# Altium PCB Power_Board_2.PcbDoc (part 4 of 6)
Units mil, origin at the board's own origin, x right, y up, seen from the top; angles counter-clockwise.
Board outline 6295 x 3940 mil, 4 copper layers (Top Layer, Layer 1, Layer 2, Bottom Layer), stack 70.112 mil thick; 302 components, 180 nets, 927 pads, 3118 vias.
Unrouted connection lines stored in the file: 443.
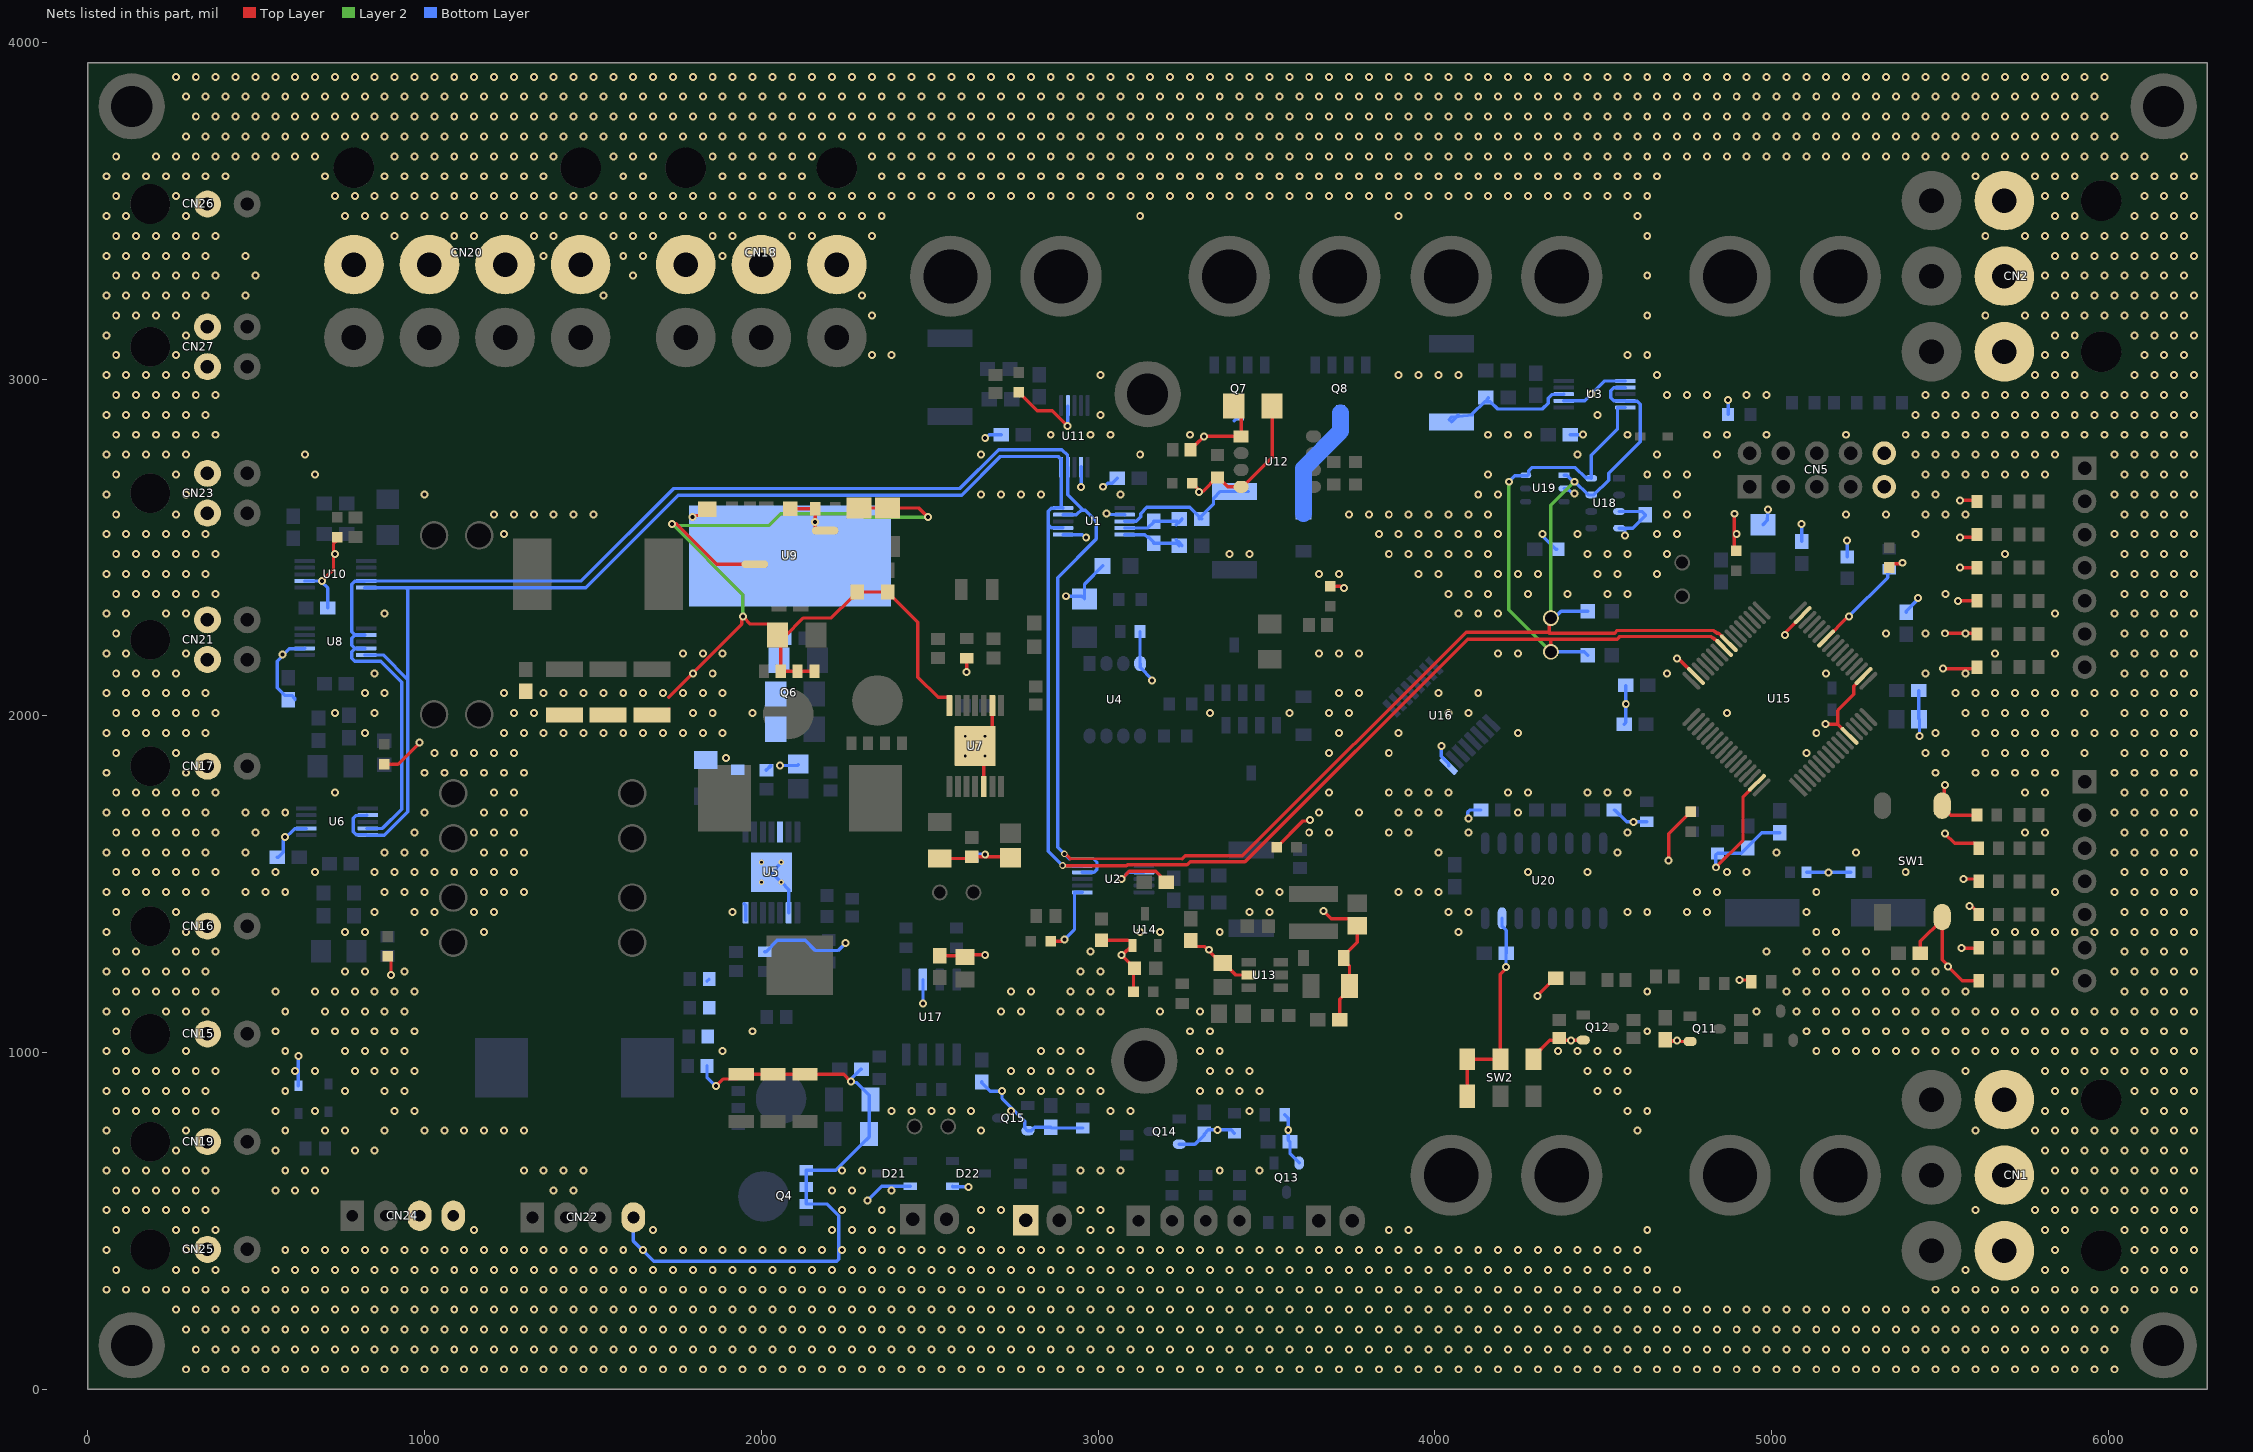
[diagram p5: the nets of this part, all layers, seen from the top]

## Via types
v1: diameter 23.62, hole 11.81, Top Layer to Bottom Layer, tented both sides, 3092 vias
v2: diameter 50, hole 12, Top Layer to Bottom Layer, tented both sides, 15 vias
v3: diameter 15.75, hole 7.87, Top Layer to Bottom Layer, tented both sides, 8 vias
v4: diameter 20, hole 12, Top Layer to Bottom Layer, tented both sides, 3 vias

## Nets (pads, with @x,y where several pads share a name; then routed paths per layer and width w, separated by ;. In a path a pad name is that pad's centre, name@x,y a point inside that pad or via, vN(x,y) a via of type N, cw(c..) or ccw(c..) an arc to the next point about the centre after c; other vN are vias at no path point) (continued)
GND: (continued)
  other v1: 290.71,59.06 349.76,59.06 408.82,59.06 467.87,59.06 526.93,59.06 585.98,59.06 645.04,59.06 704.09,59.06 763.15,59.06 822.2,59.06 881.26,59.06 940.31,59.06 999.37,59.06 1058.42,59.06 1117.48,59.06 1176.53,59.06 1235.59,59.06 1294.64,59.06 1353.7,59.06 1412.76,59.06 1471.81,59.06 1530.87,59.06 1589.92,59.06 1648.98,59.06 1708.03,59.06 1767.09,59.06 1826.14,59.06 1885.2,59.06 1944.25,59.06 2003.31,59.06 2062.36,59.06 2121.42,59.06 2180.47,59.06 2239.53,59.06 2298.58,59.06 2357.64,59.06 2416.69,59.06 2475.75,59.06 2534.8,59.06 2593.86,59.06 2652.91,59.06 2711.97,59.06 2771.02,59.06 2830.08,59.06 2889.13,59.06 2948.19,59.06 3007.24,59.06 3066.3,59.06 3125.35,59.06 3184.41,59.06 3243.46,59.06 3302.52,59.06 3361.57,59.06 3420.63,59.06 3479.68,59.06 3538.74,59.06 3597.79,59.06 3656.85,59.06 3715.9,59.06 3774.96,59.06 3834.01,59.06 3893.07,59.06 3952.12,59.06 4011.18,59.06 4070.23,59.06 4129.29,59.06 4188.34,59.06 4247.4,59.06 4306.45,59.06 4365.51,59.06 4424.57,59.06 4483.62,59.06 4542.68,59.06 4601.73,59.06 4660.79,59.06 4719.84,59.06 4778.9,59.06 4837.95,59.06 4897.01,59.06 4956.06,59.06 5015.12,59.06 5074.17,59.06 5133.23,59.06 5192.28,59.06 5251.34,59.06 5310.39,59.06 5369.45,59.06 5428.5,59.06 5487.56,59.06 5546.61,59.06 5605.67,59.06 5664.72,59.06 5723.78,59.06 5782.83,59.06 5841.89,59.06 5900.94,59.06 5960,59.06 6019.05,59.06 320.24,118.11 379.29,118.11 438.35,118.11 497.4,118.11 556.46,118.11 615.51,118.11 674.57,118.11 733.62,118.11 792.68,118.11 851.73,118.11 910.79,118.11 969.84,118.11 1028.9,118.11 1087.95,118.11 1147.01,118.11 1206.06,118.11 1265.12,118.11 1324.17,118.11 1383.23,118.11 1442.28,118.11 1501.34,118.11 1560.39,118.11 1619.45,118.11 1678.5,118.11 1737.56,118.11 1796.61,118.11 1855.67,118.11 1914.72,118.11 1973.78,118.11 2032.83,118.11 2091.89,118.11 2150.94,118.11 2210,118.11 2269.05,118.11 2328.11,118.11 2387.16,118.11 2446.22,118.11 2505.27,118.11 2564.33,118.11 2623.38,118.11 2682.44,118.11 2741.49,118.11 2800.55,118.11 2859.6,118.11 2918.66,118.11 2977.72,118.11 3036.77,118.11 3095.83,118.11 3154.88,118.11 3213.94,118.11 3272.99,118.11 3332.05,118.11 3391.1,118.11 3450.16,118.11 3509.21,118.11 3568.27,118.11 3627.32,118.11 3686.38,118.11 3745.43,118.11 3804.49,118.11 3863.54,118.11 3922.6,118.11 3981.65,118.11 4040.71,118.11 4099.76,118.11 4158.82,118.11 4217.87,118.11 4276.93,118.11 4335.98,118.11 4395.04,118.11 4454.09,118.11 4513.15,118.11 4572.2,118.11 4631.26,118.11 4690.31,118.11 4749.37,118.11 4808.42,118.11 4867.48,118.11 4926.53,118.11 4985.59,118.11 5044.64,118.11 5103.7,118.11 5162.75,118.11 5221.81,118.11 5280.86,118.11 5339.92,118.11 5398.97,118.11 5458.03,118.11 5517.08,118.11 5576.14,118.11 5635.19,118.11 5694.25,118.11 5753.3,118.11 5812.36,118.11 5871.41,118.11 5930.47,118.11 5989.53,118.11 290.71,177.17 349.76,177.17 408.82,177.17 467.87,177.17 526.93,177.17 585.98,177.17 645.04,177.17 704.09,177.17 763.15,177.17 822.2,177.17 881.26,177.17 940.31,177.17 999.37,177.17 1058.42,177.17 1117.48,177.17 1176.53,177.17 1235.59,177.17 1294.64,177.17 1353.7,177.17 1412.76,177.17 1471.81,177.17 1530.87,177.17 1589.92,177.17 1648.98,177.17 1708.03,177.17 1767.09,177.17 1826.14,177.17 1885.2,177.17 1944.25,177.17 2003.31,177.17 2062.36,177.17 2121.42,177.17 2180.47,177.17 2239.53,177.17 2298.58,177.17 2357.64,177.17 2416.69,177.17 2475.75,177.17 2534.8,177.17 2593.86,177.17 2652.91,177.17 2711.97,177.17 2771.02,177.17 2830.08,177.17 2889.13,177.17 2948.19,177.17 3007.24,177.17 3066.3,177.17 3125.35,177.17 3184.41,177.17 3243.46,177.17 3302.52,177.17 3361.57,177.17 3420.63,177.17 3479.68,177.17 3538.74,177.17 3597.79,177.17 3656.85,177.17 3715.9,177.17 3774.96,177.17 3834.01,177.17 3893.07,177.17 3952.12,177.17 4011.18,177.17 4070.23,177.17 4129.29,177.17 4188.34,177.17 4247.4,177.17 4306.45,177.17 4365.51,177.17 4424.57,177.17 4483.62,177.17 4542.68,177.17 4601.73,177.17 4660.79,177.17 4719.84,177.17 4778.9,177.17 4837.95,177.17 4897.01,177.17 4956.06,177.17 5015.12,177.17 5074.17,177.17 5133.23,177.17 5192.28,177.17 5251.34,177.17 5310.39,177.17 5369.45,177.17 5428.5,177.17 5487.56,177.17 5546.61,177.17 5605.67,177.17 5664.72,177.17 5723.78,177.17 5782.83,177.17 5841.89,177.17 5900.94,177.17 5960,177.17 6019.05,177.17 261.18,236.22 320.24,236.22 379.29,236.22 438.35,236.22 497.4,236.22 556.46,236.22 615.51,236.22 674.57,236.22 733.62,236.22 792.68,236.22 851.73,236.22 910.79,236.22 969.84,236.22 1028.9,236.22 1087.95,236.22 1147.01,236.22 1206.06,236.22 1265.12,236.22 1324.17,236.22 1383.23,236.22 1442.28,236.22 1501.34,236.22 1560.39,236.22 1619.45,236.22 1678.5,236.22 1737.56,236.22 1796.61,236.22 1855.67,236.22 1914.72,236.22 1973.78,236.22 2032.83,236.22 2091.89,236.22 2150.94,236.22 2210,236.22 2269.05,236.22 2328.11,236.22 2387.16,236.22 2446.22,236.22 2505.27,236.22 2564.33,236.22 2623.38,236.22 2682.44,236.22 2741.49,236.22 2800.55,236.22 2859.6,236.22 2918.66,236.22 2977.72,236.22 3036.77,236.22 3095.83,236.22 3154.88,236.22 3213.94,236.22 3272.99,236.22 3332.05,236.22 3391.1,236.22 3450.16,236.22 3509.21,236.22 3568.27,236.22 3627.32,236.22 3686.38,236.22 3745.43,236.22 3804.49,236.22 3863.54,236.22 3922.6,236.22 3981.65,236.22 4040.71,236.22 4099.76,236.22 4158.82,236.22 4217.87,236.22 4276.93,236.22 4335.98,236.22 4395.04,236.22 4454.09,236.22 4513.15,236.22 4572.2,236.22 4631.26,236.22 4690.31,236.22 4749.37,236.22 4808.42,236.22 4867.48,236.22 4926.53,236.22 4985.59,236.22 5044.64,236.22 5103.7,236.22 5162.75,236.22 5221.81,236.22 5280.86,236.22 5339.92,236.22 5398.97,236.22 5458.03,236.22 5517.08,236.22 5576.14,236.22 5635.19,236.22 5694.25,236.22 5753.3,236.22 5812.36,236.22 5871.41,236.22 5930.47,236.22 5989.53,236.22 6048.58,236.22 54.49,295.28 113.54,295.28 172.6,295.28 231.65,295.28 290.71,295.28 349.76,295.28 408.82,295.28 467.87,295.28 526.93,295.28 585.98,295.28 645.04,295.28 704.09,295.28 763.15,295.28 822.2,295.28 881.26,295.28 940.31,295.28 999.37,295.28 1058.42,295.28 1117.48,295.28 1176.53,295.28 1235.59,295.28 1294.64,295.28 1353.7,295.28 1412.76,295.28 1471.81,295.28 1530.87,295.28 1589.92,295.28 1648.98,295.28 1708.03,295.28 1767.09,295.28 1826.14,295.28 1885.2,295.28 1944.25,295.28 2003.31,295.28 2062.36,295.28 2121.42,295.28 2180.47,295.28 2239.53,295.28 2298.58,295.28 2357.64,295.28 2416.69,295.28 2475.75,295.28 2534.8,295.28 2593.86,295.28 2652.91,295.28 2711.97,295.28 2771.02,295.28 2830.08,295.28 2889.13,295.28 2948.19,295.28 3007.24,295.28 3066.3,295.28 3125.35,295.28 3184.41,295.28 3243.46,295.28 3302.52,295.28 3361.57,295.28 3420.63,295.28 3479.68,295.28 3538.74,295.28 3597.79,295.28 3656.85,295.28 3715.9,295.28 3774.96,295.28 3834.01,295.28 3893.07,295.28 3952.12,295.28 4011.18,295.28 4070.23,295.28 4129.29,295.28 4188.34,295.28 4247.4,295.28 4306.45,295.28 4365.51,295.28 4424.57,295.28 4483.62,295.28 4542.68,295.28 4601.73,295.28 4660.79,295.28 4719.84,295.28 5487.56,295.28 5546.61,295.28 5605.67,295.28 5664.72,295.28 5723.78,295.28 5782.83,295.28 5841.89,295.28 5900.94,295.28 5960,295.28 6019.05,295.28 6078.11,295.28 6137.16,295.28 6196.22,295.28 6255.27,295.28 84.02,354.33 261.18,354.33 320.24,354.33 379.29,354.33 556.46,354.33 615.51,354.33 674.57,354.33 733.62,354.33 792.68,354.33 851.73,354.33 910.79,354.33 969.84,354.33 1028.9,354.33 1087.95,354.33 1147.01,354.33 1206.06,354.33 1265.12,354.33 1324.17,354.33 1383.23,354.33 1442.28,354.33 1501.34,354.33 1560.39,354.33 1619.45,354.33 1678.5,354.33 1737.56,354.33 1796.61,354.33 1855.67,354.33 1914.72,354.33 1973.78,354.33 2032.83,354.33 2091.89,354.33 2150.94,354.33 2210,354.33 2269.05,354.33 2328.11,354.33 2387.16,354.33 2446.22,354.33 2505.27,354.33 2564.33,354.33 2623.38,354.33 2682.44,354.33 2741.49,354.33 2800.55,354.33 2859.6,354.33 2918.66,354.33 2977.72,354.33 3036.77,354.33 3095.83,354.33 3154.88,354.33 3213.94,354.33 3272.99,354.33 3332.05,354.33 3391.1,354.33 3450.16,354.33 3509.21,354.33 3568.27,354.33 3627.32,354.33 3686.38,354.33 3745.43,354.33 3804.49,354.33 3863.54,354.33 3922.6,354.33 3981.65,354.33 4040.71,354.33 4099.76,354.33 4158.82,354.33 4217.87,354.33 4276.93,354.33 4335.98,354.33 4395.04,354.33 4454.09,354.33 4513.15,354.33 4572.2,354.33 4631.26,354.33 5576.14,354.33 5812.36,354.33 5871.41,354.33 6048.58,354.33 6107.64,354.33 6166.69,354.33 6225.75,354.33 54.49,413.39 290.71,413.39 585.98,413.39 645.04,413.39 704.09,413.39 763.15,413.39 822.2,413.39 881.26,413.39 940.31,413.39 999.37,413.39 1058.42,413.39 1117.48,413.39 1176.53,413.39 1235.59,413.39 1294.64,413.39 1353.7,413.39 1412.76,413.39 1471.81,413.39 1530.87,413.39 1589.92,413.39 1648.98,413.39 1708.03,413.39 1767.09,413.39 1826.14,413.39 1885.2,413.39 1944.25,413.39 2003.31,413.39 2062.36,413.39 2121.42,413.39 2180.47,413.39 2239.53,413.39 2298.58,413.39 2357.64,413.39 2416.69,413.39 2475.75,413.39 2534.8,413.39 2593.86,413.39 2652.91,413.39 2711.97,413.39 2771.02,413.39 2830.08,413.39 2889.13,413.39 2948.19,413.39 3007.24,413.39 3066.3,413.39 3125.35,413.39 3184.41,413.39 3243.46,413.39 3302.52,413.39 3361.57,413.39 3420.63,413.39 3479.68,413.39 3538.74,413.39 3597.79,413.39 3656.85,413.39 3715.9,413.39 3774.96,413.39 3834.01,413.39 3893.07,413.39 3952.12,413.39 4011.18,413.39 4070.23,413.39 4129.29,413.39 4188.34,413.39 4247.4,413.39 4306.45,413.39 4365.51,413.39 4424.57,413.39 4483.62,413.39 4542.68,413.39 4601.73,413.39 5841.89,413.39 6078.11,413.39 6137.16,413.39 6196.22,413.39 6255.27,413.39 84.02,472.44 261.18,472.44 320.24,472.44 379.29,472.44 1147.01,472.44 1678.5,472.44 2210,472.44 2269.05,472.44 2328.11,472.44 2387.16,472.44 2623.38,472.44 2977.72,472.44 3036.77,472.44 3863.54,472.44 3922.6,472.44 4631.26,472.44 5812.36,472.44 5871.41,472.44 6048.58,472.44 6107.64,472.44 6166.69,472.44 6225.75,472.44 54.49,531.5 113.54,531.5 172.6,531.5 231.65,531.5 290.71,531.5 349.76,531.5 2239.53,531.5 2357.64,531.5 2652.91,531.5 2711.97,531.5 2948.19,531.5 3007.24,531.5 5605.67,531.5 5782.83,531.5 5841.89,531.5 5900.94,531.5 5960,531.5 6019.05,531.5 6078.11,531.5 6137.16,531.5 6196.22,531.5 6255.27,531.5 84.02,590.55 143.07,590.55 202.13,590.55 261.18,590.55 320.24,590.55 379.29,590.55 556.46,590.55 615.51,590.55 674.57,590.55 1383.23,590.55 1442.28,590.55 2210,590.55 2269.05,590.55 2387.16,590.55 5812.36,590.55 5871.41,590.55 5930.47,590.55 5989.53,590.55 6048.58,590.55 6107.64,590.55 6166.69,590.55 6225.75,590.55 54.49,649.61 113.54,649.61 172.6,649.61 231.65,649.61 290.71,649.61 349.76,649.61 585.98,649.61 645.04,649.61 704.09,649.61 1294.64,649.61 1353.7,649.61 1412.76,649.61 1471.81,649.61 2239.53,649.61 2298.58,649.61 2948.19,649.61 3007.24,649.61 3066.3,649.61 3361.57,649.61 3479.68,649.61 5841.89,649.61 5900.94,649.61 5960,649.61 6019.05,649.61 6078.11,649.61 6137.16,649.61 6196.22,649.61 6255.27,649.61 84.02,708.66 261.18,708.66 556.46,708.66 792.68,708.66 851.73,708.66 5812.36,708.66 5871.41,708.66 5930.47,708.66 5989.53,708.66 6048.58,708.66 6107.64,708.66 6166.69,708.66 6225.75,708.66 54.49,767.72 290.71,767.72 585.98,767.72 704.09,767.72 763.15,767.72 881.26,767.72 999.37,767.72 1058.42,767.72 1117.48,767.72 1176.53,767.72 1235.59,767.72 1294.64,767.72 2652.91,767.72 4601.73,767.72 5605.67,767.72 5782.83,767.72 5841.89,767.72 5900.94,767.72 5960,767.72 6019.05,767.72 6078.11,767.72 6137.16,767.72 6196.22,767.72 6255.27,767.72 84.02,826.77 143.07,826.77 202.13,826.77 261.18,826.77 320.24,826.77 379.29,826.77 556.46,826.77 674.57,826.77 910.79,826.77 969.84,826.77 2387.16,826.77 2446.22,826.77 2505.27,826.77 2564.33,826.77 2623.38,826.77 2741.49,826.77 3036.77,826.77 3095.83,826.77 3450.16,826.77 4572.2,826.77 4631.26,826.77 5812.36,826.77 5871.41,826.77 6107.64,826.77 6166.69,826.77 6225.75,826.77 54.49,885.83 113.54,885.83 172.6,885.83 231.65,885.83 290.71,885.83 349.76,885.83 585.98,885.83 763.15,885.83 881.26,885.83 940.31,885.83 2771.02,885.83 2830.08,885.83 2889.13,885.83 2948.19,885.83 3007.24,885.83 3302.52,885.83 3361.57,885.83 3420.63,885.83 3479.68,885.83 4483.62,885.83 4542.68,885.83 5841.89,885.83 5900.94,885.83 6078.11,885.83 6137.16,885.83 6196.22,885.83 6255.27,885.83 84.02,944.88 143.07,944.88 202.13,944.88 261.18,944.88 320.24,944.88 379.29,944.88 556.46,944.88 615.51,944.88 674.57,944.88 792.68,944.88 851.73,944.88 910.79,944.88 969.84,944.88 2741.49,944.88 2800.55,944.88 2859.6,944.88 2918.66,944.88 2977.72,944.88 3332.05,944.88 3391.1,944.88 3450.16,944.88 4454.09,944.88 4513.15,944.88 4572.2,944.88 5576.14,944.88 5812.36,944.88 5871.41,944.88 5930.47,944.88 5989.53,944.88 6048.58,944.88 6107.64,944.88 6166.69,944.88 6225.75,944.88 54.49,1003.94 113.54,1003.94 290.71,1003.94 585.98,1003.94 763.15,1003.94 822.2,1003.94 881.26,1003.94 940.31,1003.94 1885.2,1003.94 2830.08,1003.94 2889.13,1003.94 2948.19,1003.94 3302.52,1003.94 3361.57,1003.94 4365.51,1003.94 4424.57,1003.94 4483.62,1003.94 4542.68,1003.94 5133.23,1003.94 5192.28,1003.94 5251.34,1003.94 5310.39,1003.94 5369.45,1003.94 5428.5,1003.94 5487.56,1003.94 5546.61,1003.94 5605.67,1003.94 5664.72,1003.94 5723.78,1003.94 5782.83,1003.94 5841.89,1003.94 5900.94,1003.94 5960,1003.94 6019.05,1003.94 6078.11,1003.94 6137.16,1003.94 6196.22,1003.94 6255.27,1003.94 84.02,1062.99 556.46,1062.99 674.57,1062.99 733.62,1062.99 792.68,1062.99 851.73,1062.99 910.79,1062.99 969.84,1062.99 1973.78,1062.99 3272.99,1062.99 3332.05,1062.99 4631.26,1062.99 5103.7,1062.99 5162.75,1062.99 5221.81,1062.99 5280.86,1062.99 5339.92,1062.99 5398.97,1062.99 5458.03,1062.99 5517.08,1062.99 5576.14,1062.99 5635.19,1062.99 5694.25,1062.99 5753.3,1062.99 5812.36,1062.99 5871.41,1062.99 5930.47,1062.99 5989.53,1062.99 6048.58,1062.99 6107.64,1062.99 6166.69,1062.99 6225.75,1062.99 54.49,1122.05 113.54,1122.05 231.65,1122.05 290.71,1122.05 349.76,1122.05 585.98,1122.05 704.09,1122.05 763.15,1122.05 822.2,1122.05 881.26,1122.05 940.31,1122.05 2711.97,1122.05 2771.02,1122.05 2889.13,1122.05 2948.19,1122.05 3007.24,1122.05 3184.41,1122.05 3302.52,1122.05 4956.06,1122.05 5074.17,1122.05 5133.23,1122.05 5192.28,1122.05 5251.34,1122.05 5310.39,1122.05 5369.45,1122.05 5428.5,1122.05 5487.56,1122.05 5546.61,1122.05 5605.67,1122.05 5664.72,1122.05 5723.78,1122.05 5782.83,1122.05 5841.89,1122.05 5900.94,1122.05 5960,1122.05 6019.05,1122.05 6078.11,1122.05 6137.16,1122.05 6196.22,1122.05 6255.27,1122.05 84.02,1181.1 143.07,1181.1 202.13,1181.1 261.18,1181.1 320.24,1181.1 379.29,1181.1 556.46,1181.1 674.57,1181.1 733.62,1181.1 792.68,1181.1 851.73,1181.1 910.79,1181.1 969.84,1181.1 2741.49,1181.1 2800.55,1181.1 2918.66,1181.1 2977.72,1181.1 3036.77,1181.1 4631.26,1181.1 5044.64,1181.1 5103.7,1181.1 5162.75,1181.1 5221.81,1181.1 5280.86,1181.1 5339.92,1181.1 5398.97,1181.1 5458.03,1181.1 5517.08,1181.1 5576.14,1181.1 6048.58,1181.1 6107.64,1181.1 6166.69,1181.1 6225.75,1181.1 54.49,1240.16 113.54,1240.16 172.6,1240.16 231.65,1240.16 290.71,1240.16 349.76,1240.16 763.15,1240.16 822.2,1240.16 940.31,1240.16 2948.19,1240.16 3007.24,1240.16 5074.17,1240.16 5133.23,1240.16 5192.28,1240.16 5251.34,1240.16 5310.39,1240.16 5369.45,1240.16 5428.5,1240.16 5487.56,1240.16 5841.89,1240.16 6019.05,1240.16 6078.11,1240.16 6137.16,1240.16 6196.22,1240.16 6255.27,1240.16 84.02,1299.21 143.07,1299.21 261.18,1299.21 320.24,1299.21 379.29,1299.21 2977.72,1299.21 4985.59,1299.21 5103.7,1299.21 5162.75,1299.21 5221.81,1299.21 5280.86,1299.21 6048.58,1299.21 6107.64,1299.21 6166.69,1299.21 6225.75,1299.21 3330,1305 54.49,1358.27 290.71,1358.27 763.15,1358.27 822.2,1358.27 999.37,1358.27 1176.53,1358.27 3125.35,1358.27 3184.41,1358.27 3361.57,1358.27 4070.23,1358.27 5133.23,1358.27 5192.28,1358.27 5664.72,1358.27 5723.78,1358.27 5782.83,1358.27 5841.89,1358.27 5900.94,1358.27 5960,1358.27 6019.05,1358.27 6078.11,1358.27 6137.16,1358.27 6196.22,1358.27 6255.27,1358.27 84.02,1417.32 261.18,1417.32 851.73,1417.32 969.84,1417.32 1028.9,1417.32 1147.01,1417.32 1206.06,1417.32 1914.72,1417.32 3450.16,1417.32 3509.21,1417.32 4040.71,1417.32 4099.76,1417.32 4572.2,1417.32 4631.26,1417.32 4749.37,1417.32 4808.42,1417.32 5103.7,1417.32 6048.58,1417.32 6107.64,1417.32 6166.69,1417.32 6225.75,1417.32 54.49,1476.38 113.54,1476.38 172.6,1476.38 231.65,1476.38 290.71,1476.38 349.76,1476.38 467.87,1476.38 526.93,1476.38 585.98,1476.38 881.26,1476.38 940.31,1476.38 999.37,1476.38 1176.53,1476.38 1235.59,1476.38 1294.64,1476.38 3479.68,1476.38 3538.74,1476.38 3893.07,1476.38 3952.12,1476.38 4011.18,1476.38 4778.9,1476.38 4837.95,1476.38 5133.23,1476.38 5841.89,1476.38 6019.05,1476.38 6078.11,1476.38 6137.16,1476.38 6196.22,1476.38 6255.27,1476.38 84.02,1535.43 143.07,1535.43 202.13,1535.43 261.18,1535.43 320.24,1535.43 379.29,1535.43 497.4,1535.43 556.46,1535.43 674.57,1535.43 851.73,1535.43 910.79,1535.43 969.84,1535.43 1028.9,1535.43 1087.95,1535.43 1147.01,1535.43 1206.06,1535.43 1265.12,1535.43 4276.93,1535.43 4454.09,1535.43 4867.48,1535.43 4926.53,1535.43 5398.97,1535.43 6048.58,1535.43 6107.64,1535.43 6166.69,1535.43 6225.75,1535.43 54.49,1594.49 113.54,1594.49 172.6,1594.49 231.65,1594.49 290.71,1594.49 349.76,1594.49 467.87,1594.49 881.26,1594.49 940.31,1594.49 999.37,1594.49 1176.53,1594.49 1235.59,1594.49 1294.64,1594.49 4011.18,1594.49 4542.68,1594.49 5015.12,1594.49 5251.34,1594.49 6019.05,1594.49 6078.11,1594.49 6137.16,1594.49 6196.22,1594.49 6255.27,1594.49 585,1640 84.02,1653.54 143.07,1653.54 202.13,1653.54 261.18,1653.54 320.24,1653.54 379.29,1653.54 497.4,1653.54 969.84,1653.54 1147.01,1653.54 1206.06,1653.54 1265.12,1653.54 3627.32,1653.54 3686.38,1653.54 3863.54,1653.54 3922.6,1653.54 4099.76,1653.54 4572.2,1653.54 5753.3,1653.54 5812.36,1653.54 6048.58,1653.54 6107.64,1653.54 6166.69,1653.54 6225.75,1653.54 4590,1685 54.49,1712.6 113.54,1712.6 172.6,1712.6 231.65,1712.6 290.71,1712.6 349.76,1712.6 467.87,1712.6 526.93,1712.6 585.98,1712.6 999.37,1712.6 1176.53,1712.6 1235.59,1712.6 1294.64,1712.6 3656.85,1712.6 3774.96,1712.6 3893.07,1712.6 3952.12,1712.6 4011.18,1712.6 4247.4,1712.6 6019.05,1712.6 6078.11,1712.6 6137.16,1712.6 6196.22,1712.6 6255.27,1712.6 84.02,1771.65 143.07,1771.65 202.13,1771.65 261.18,1771.65 320.24,1771.65 379.29,1771.65 733.62,1771.65 1206.06,1771.65 1265.12,1771.65 3686.38,1771.65 3863.54,1771.65 3922.6,1771.65 3981.65,1771.65 4040.71,1771.65 4217.87,1771.65 4276.93,1771.65 4454.09,1771.65 4513.15,1771.65 4572.2,1771.65 5753.3,1771.65 5812.36,1771.65 6048.58,1771.65 6107.64,1771.65 6166.69,1771.65 6225.75,1771.65 54.49,1830.71 290.71,1830.71 999.37,1830.71 1058.42,1830.71 1117.48,1830.71 1176.53,1830.71 1235.59,1830.71 1294.64,1830.71 5487.56,1830.71 5605.67,1830.71 5664.72,1830.71 5723.78,1830.71 5782.83,1830.71 5841.89,1830.71 6019.05,1830.71 6078.11,1830.71 6137.16,1830.71 6196.22,1830.71 6255.27,1830.71 84.02,1889.76 261.18,1889.76 1028.9,1889.76 1087.95,1889.76 1147.01,1889.76 1206.06,1889.76 1265.12,1889.76 3686.38,1889.76 3863.54,1889.76 5103.7,1889.76 5458.03,1889.76 5517.08,1889.76 5635.19,1889.76 5694.25,1889.76 5753.3,1889.76 5812.36,1889.76 5930.47,1889.76 6048.58,1889.76 6107.64,1889.76 6166.69,1889.76 6225.75,1889.76 54.49,1948.82 113.54,1948.82 172.6,1948.82 231.65,1948.82 290.71,1948.82 349.76,1948.82 822.2,1948.82 1235.59,1948.82 1294.64,1948.82 1353.7,1948.82 1412.76,1948.82 1471.81,1948.82 1530.87,1948.82 1589.92,1948.82 1648.98,1948.82 1708.03,1948.82 1767.09,1948.82 1826.14,1948.82 1885.2,1948.82 3715.9,1948.82 3893.07,1948.82 4247.4,1948.82 5133.23,1948.82 5487.56,1948.82 5605.67,1948.82 5664.72,1948.82 5723.78,1948.82 5782.83,1948.82 5841.89,1948.82 5900.94,1948.82 5960,1948.82 6019.05,1948.82 6078.11,1948.82 6137.16,1948.82 6196.22,1948.82 6255.27,1948.82 84.02,2007.87 143.07,2007.87 202.13,2007.87 261.18,2007.87 320.24,2007.87 379.29,2007.87 733.62,2007.87 851.73,2007.87 1265.12,2007.87 1324.17,2007.87 1796.61,2007.87 1855.67,2007.87 1973.78,2007.87 3332.05,2007.87 3568.27,2007.87 3686.38,2007.87 3745.43,2007.87 4040.71,2007.87 4099.76,2007.87 4867.48,2007.87 5576.14,2007.87 5635.19,2007.87 5694.25,2007.87 5753.3,2007.87 5812.36,2007.87 5930.47,2007.87 6048.58,2007.87 6107.64,2007.87 6166.69,2007.87 6225.75,2007.87 54.49,2066.93 